# EAGLE board fp_bbox (EAGLE 7.2.0)
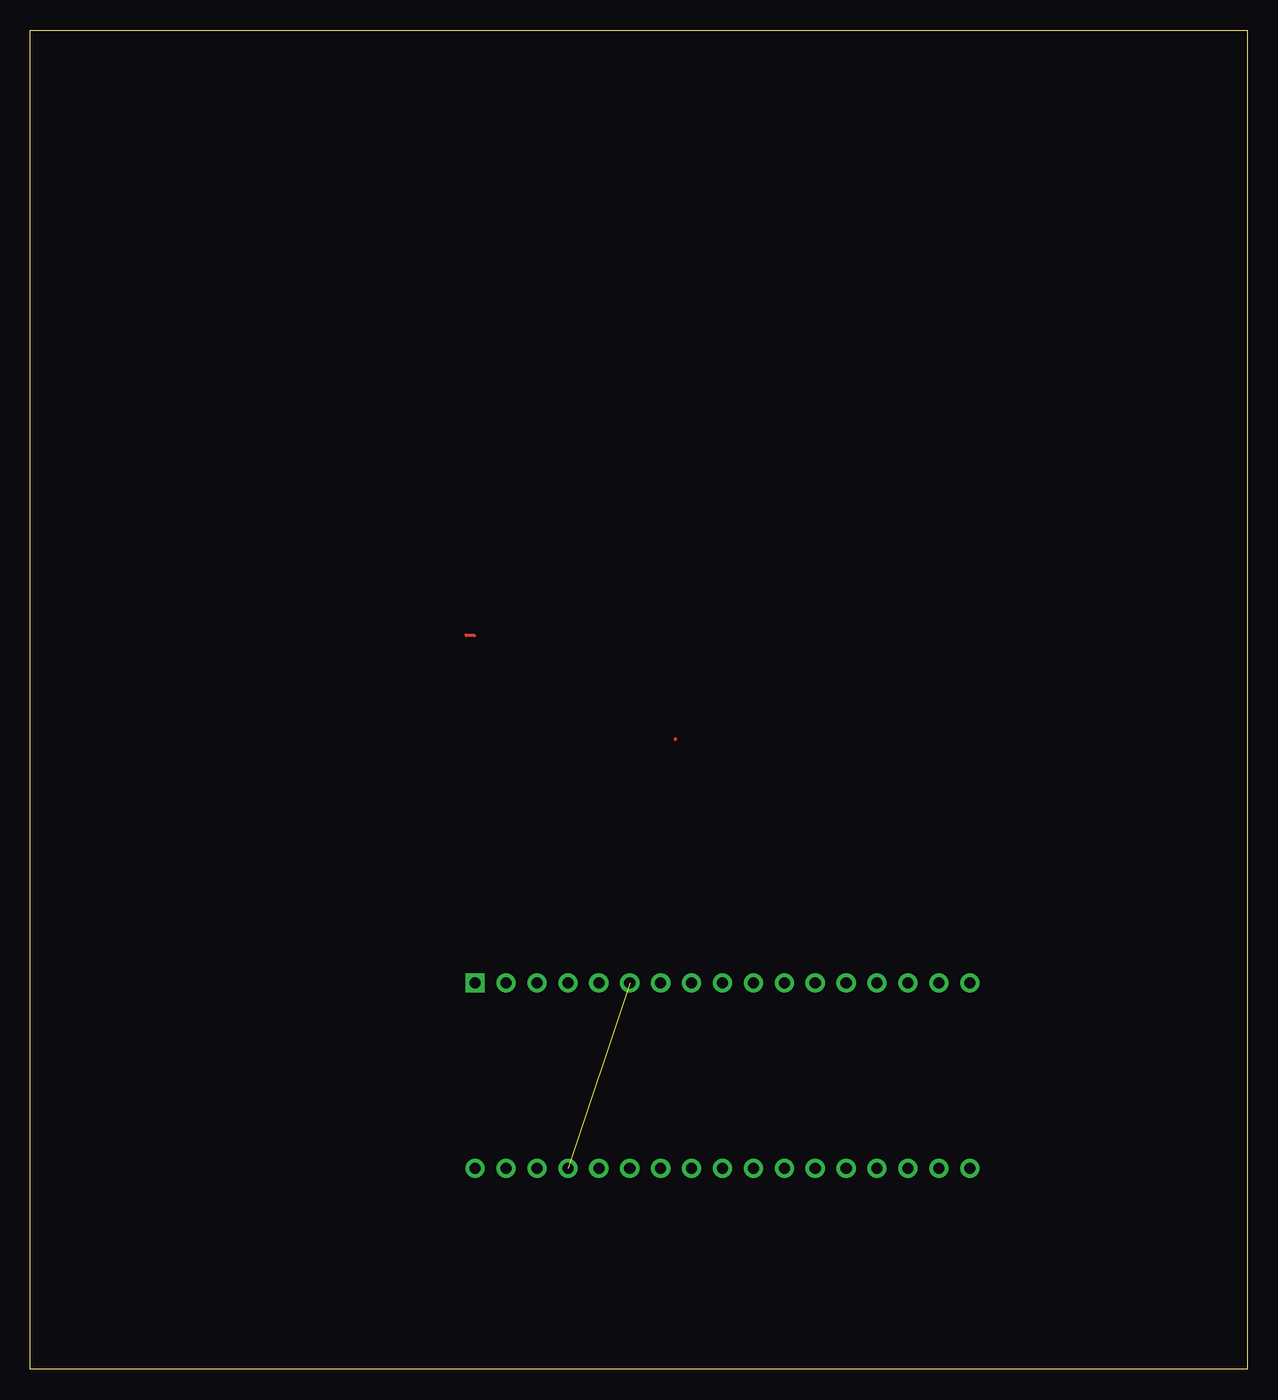
[diagram p0: board, top side]
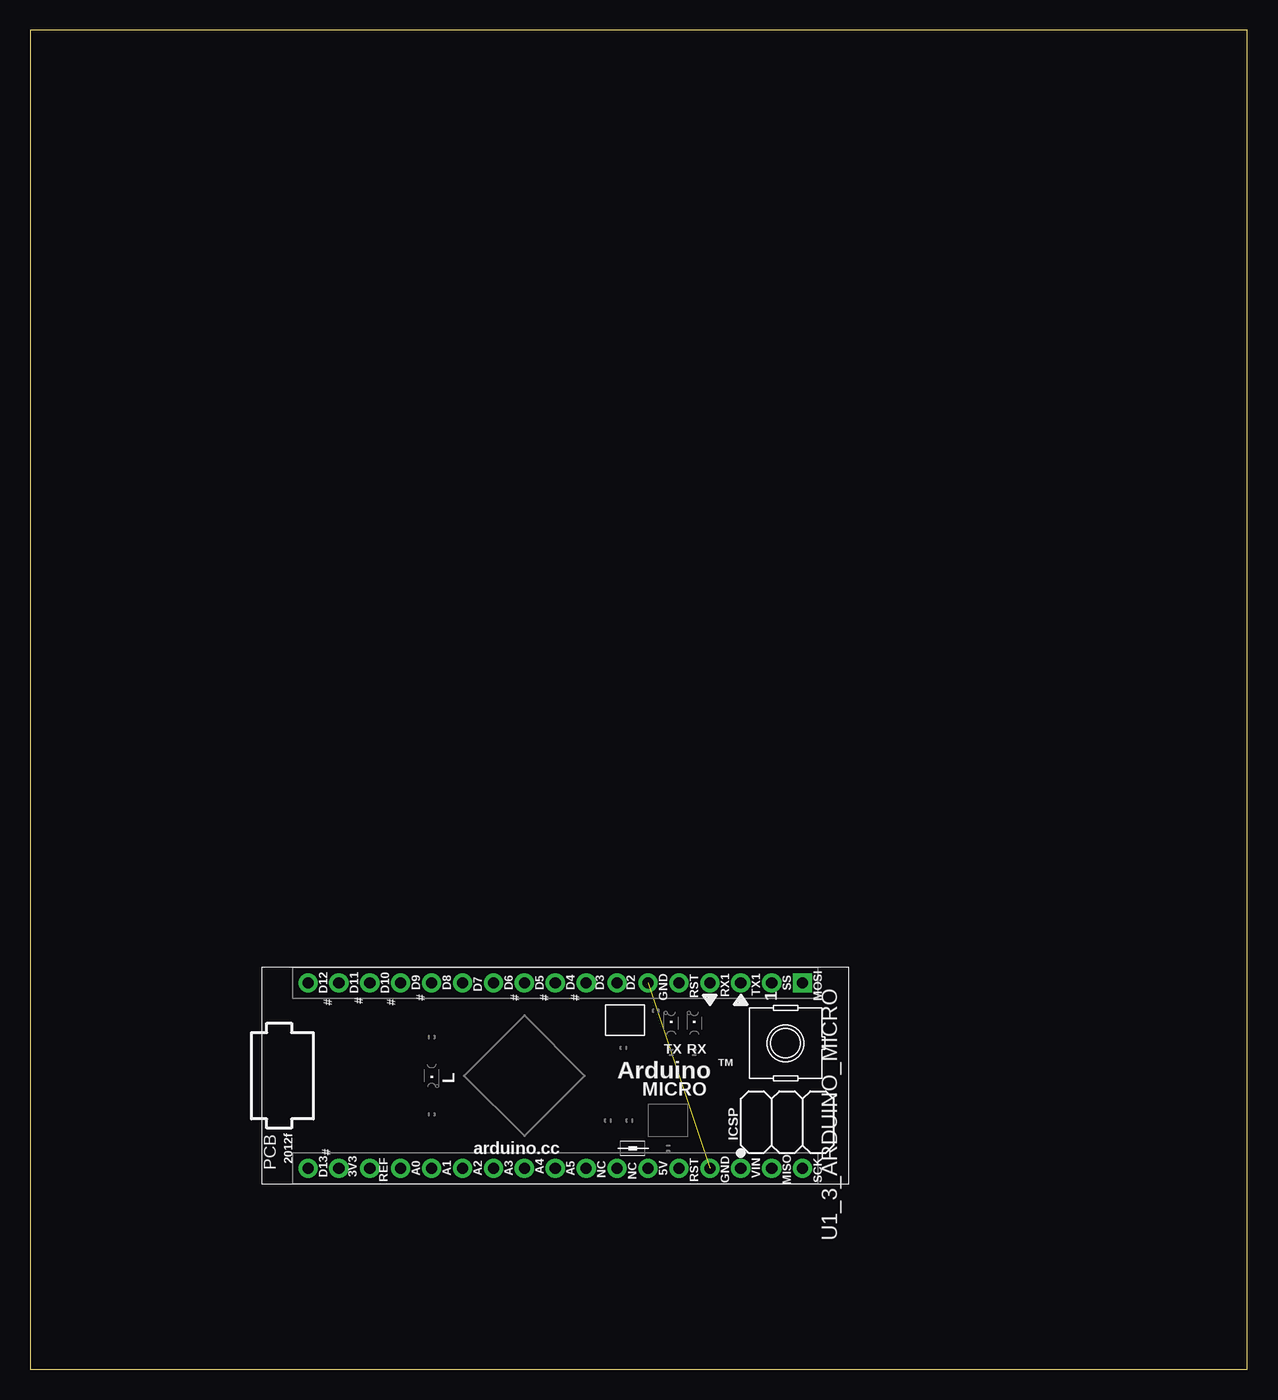
[diagram p1: board, bottom side, seen from below]

Size 100 x 110 mm. Coordinates in mm from the lower left corner, seen from the top.
Outline: 0,0 0,110 100,110 100,0 0,0
Copper layers (1*16): Top 0.035mm / dielectric 1.5mm / Bottom 0.035mm
Design rules "default": minimum track width 10mil, minimum drill 0.6mm, track to track 8mil, track to pad 8mil, pad to pad 8mil, via to via 8mil, smd to smd 8mil, copper to edge 40mil, drill to drill 8mil, minimum pad ring 10mil, minimum via ring 8mil, stop-mask expansion 4mil, vias tented up to drill 0mil, thermal gap 10mil

## Footprints (pad centres in the part's own frame; a part is rotated, then mirrored left to right if it is on the bottom)
ARDUINO_MICRO_REV03J = drill 0.914 pad 1.575: 3V3 16.51,6.35; +5V 16.51,31.75; A0 16.51,11.43; A1 16.51,13.97; A2 16.51,16.51; A3 16.51,19.05; A4 16.51,21.59; A5 16.51,24.13; AREF 16.51,8.89; D0/RX 1.27,36.83; D1/TX 1.27,39.37; D2/SDA 1.27,29.21; D3/SCL 1.27,26.67; D4* 1.27,24.13; D5* 1.27,21.59; D6* 1.27,19.05; D7 1.27,16.51; GND 1.27,31.75; GND1 16.51,36.83; IO8 1.27,13.97; IO9* 1.27,11.43; IO10* 1.27,8.89; IO11* 1.27,6.35; IO12* 1.27,3.81; IO13* 16.51,3.81; J6.7 16.51,29.21; J6.8 16.51,26.67; MISO 16.51,41.91; RESET 1.27,34.29; RESET1 16.51,34.29; RXLED/SS 1.27,41.91; SCK 16.51,44.45; VIN 16.51,39.37 | drill 0.914 pad 1.575 square: MOSI 1.27,44.45

## Placement (x,y rotation side)
U1_3_ARDUINO_MICRO  ARDUINO_MICRO_REV03J-BOB  [ARDUINO_MICRO_REV03J]  81,33 270 bottom

## Library data of the parts
U1_3_ARDUINO_MICRO = BOBs

## Nets
+3V3_3_ARDUINO_MICRO: U1_3_ARDUINO_MICRO.3V3
A0_3_ARDUINO_MICRO: U1_3_ARDUINO_MICRO.A0
A1_3_ARDUINO_MICRO: U1_3_ARDUINO_MICRO.A1
A2_3_ARDUINO_MICRO: U1_3_ARDUINO_MICRO.A2
A3_3_ARDUINO_MICRO: U1_3_ARDUINO_MICRO.A3
A4_3_ARDUINO_MICRO: U1_3_ARDUINO_MICRO.A4
A5_3_ARDUINO_MICRO: U1_3_ARDUINO_MICRO.A5
D0_3_ARDUINO_MICRO: U1_3_ARDUINO_MICRO.D0/RX
D1_3_ARDUINO_MICRO: U1_3_ARDUINO_MICRO.D1/TX
D3_3_ARDUINO_MICRO: U1_3_ARDUINO_MICRO.D3/SCL
D4_3_ARDUINO_MICRO: U1_3_ARDUINO_MICRO.D4*
D5_3_ARDUINO_MICRO: U1_3_ARDUINO_MICRO.D5*
D6_3_ARDUINO_MICRO: U1_3_ARDUINO_MICRO.D6*
D7_3_ARDUINO_MICRO: U1_3_ARDUINO_MICRO.D7
D8_3_ARDUINO_MICRO: U1_3_ARDUINO_MICRO.IO8
D9_3_ARDUINO_MICRO: U1_3_ARDUINO_MICRO.IO9*
D12_3_ARDUINO_MICRO: U1_3_ARDUINO_MICRO.IO12*
D13_3_ARDUINO_MICRO: U1_3_ARDUINO_MICRO.IO13*
MISO_3_ARDUINO_MICRO: U1_3_ARDUINO_MICRO.MISO
MOSI_3_ARDUINO_MICRO: U1_3_ARDUINO_MICRO.MOSI
RING_2_PWR-BARREL: U1_3_ARDUINO_MICRO.GND U1_3_ARDUINO_MICRO.GND1
SCK_3_ARDUINO_MICRO: U1_3_ARDUINO_MICRO.SCK
VCC_0_TRINKET: U1_3_ARDUINO_MICRO.+5V
VIN_3_ARDUINO_MICRO: U1_3_ARDUINO_MICRO.VIN

## Tracks (layer width: path | path; a pad name or v marks a point on that pad's centre or on a via)
B0_0_TRINKET
  Top 0.254: 36.51,60.26 35.83,60.26 35.76,60.35
RING_2_PWR-BARREL  (1 unrouted)
S$1
  Top 0.254: 52.97,51.8 53,51.7